# Altium PCB PCB1-recovery2.PcbDoc (part 1 of 5)
Units mil, origin at the board's own origin, x right, y up, seen from the top; angles counter-clockwise.
Board outline 7874.02 x 4566.93 mil, 8 copper layers (HIGH_SPEED_TOP, GND PLANE1, LOW_SPEED, +1V8_3V3_5V, +12V, SIGNAL, GND_PLANE3, HIGH_SPEED_BOT), stack 62.99 mil thick; 506 components, 435 nets, 2446 pads, 256 vias.
Unrouted connection lines stored in the file: 953.
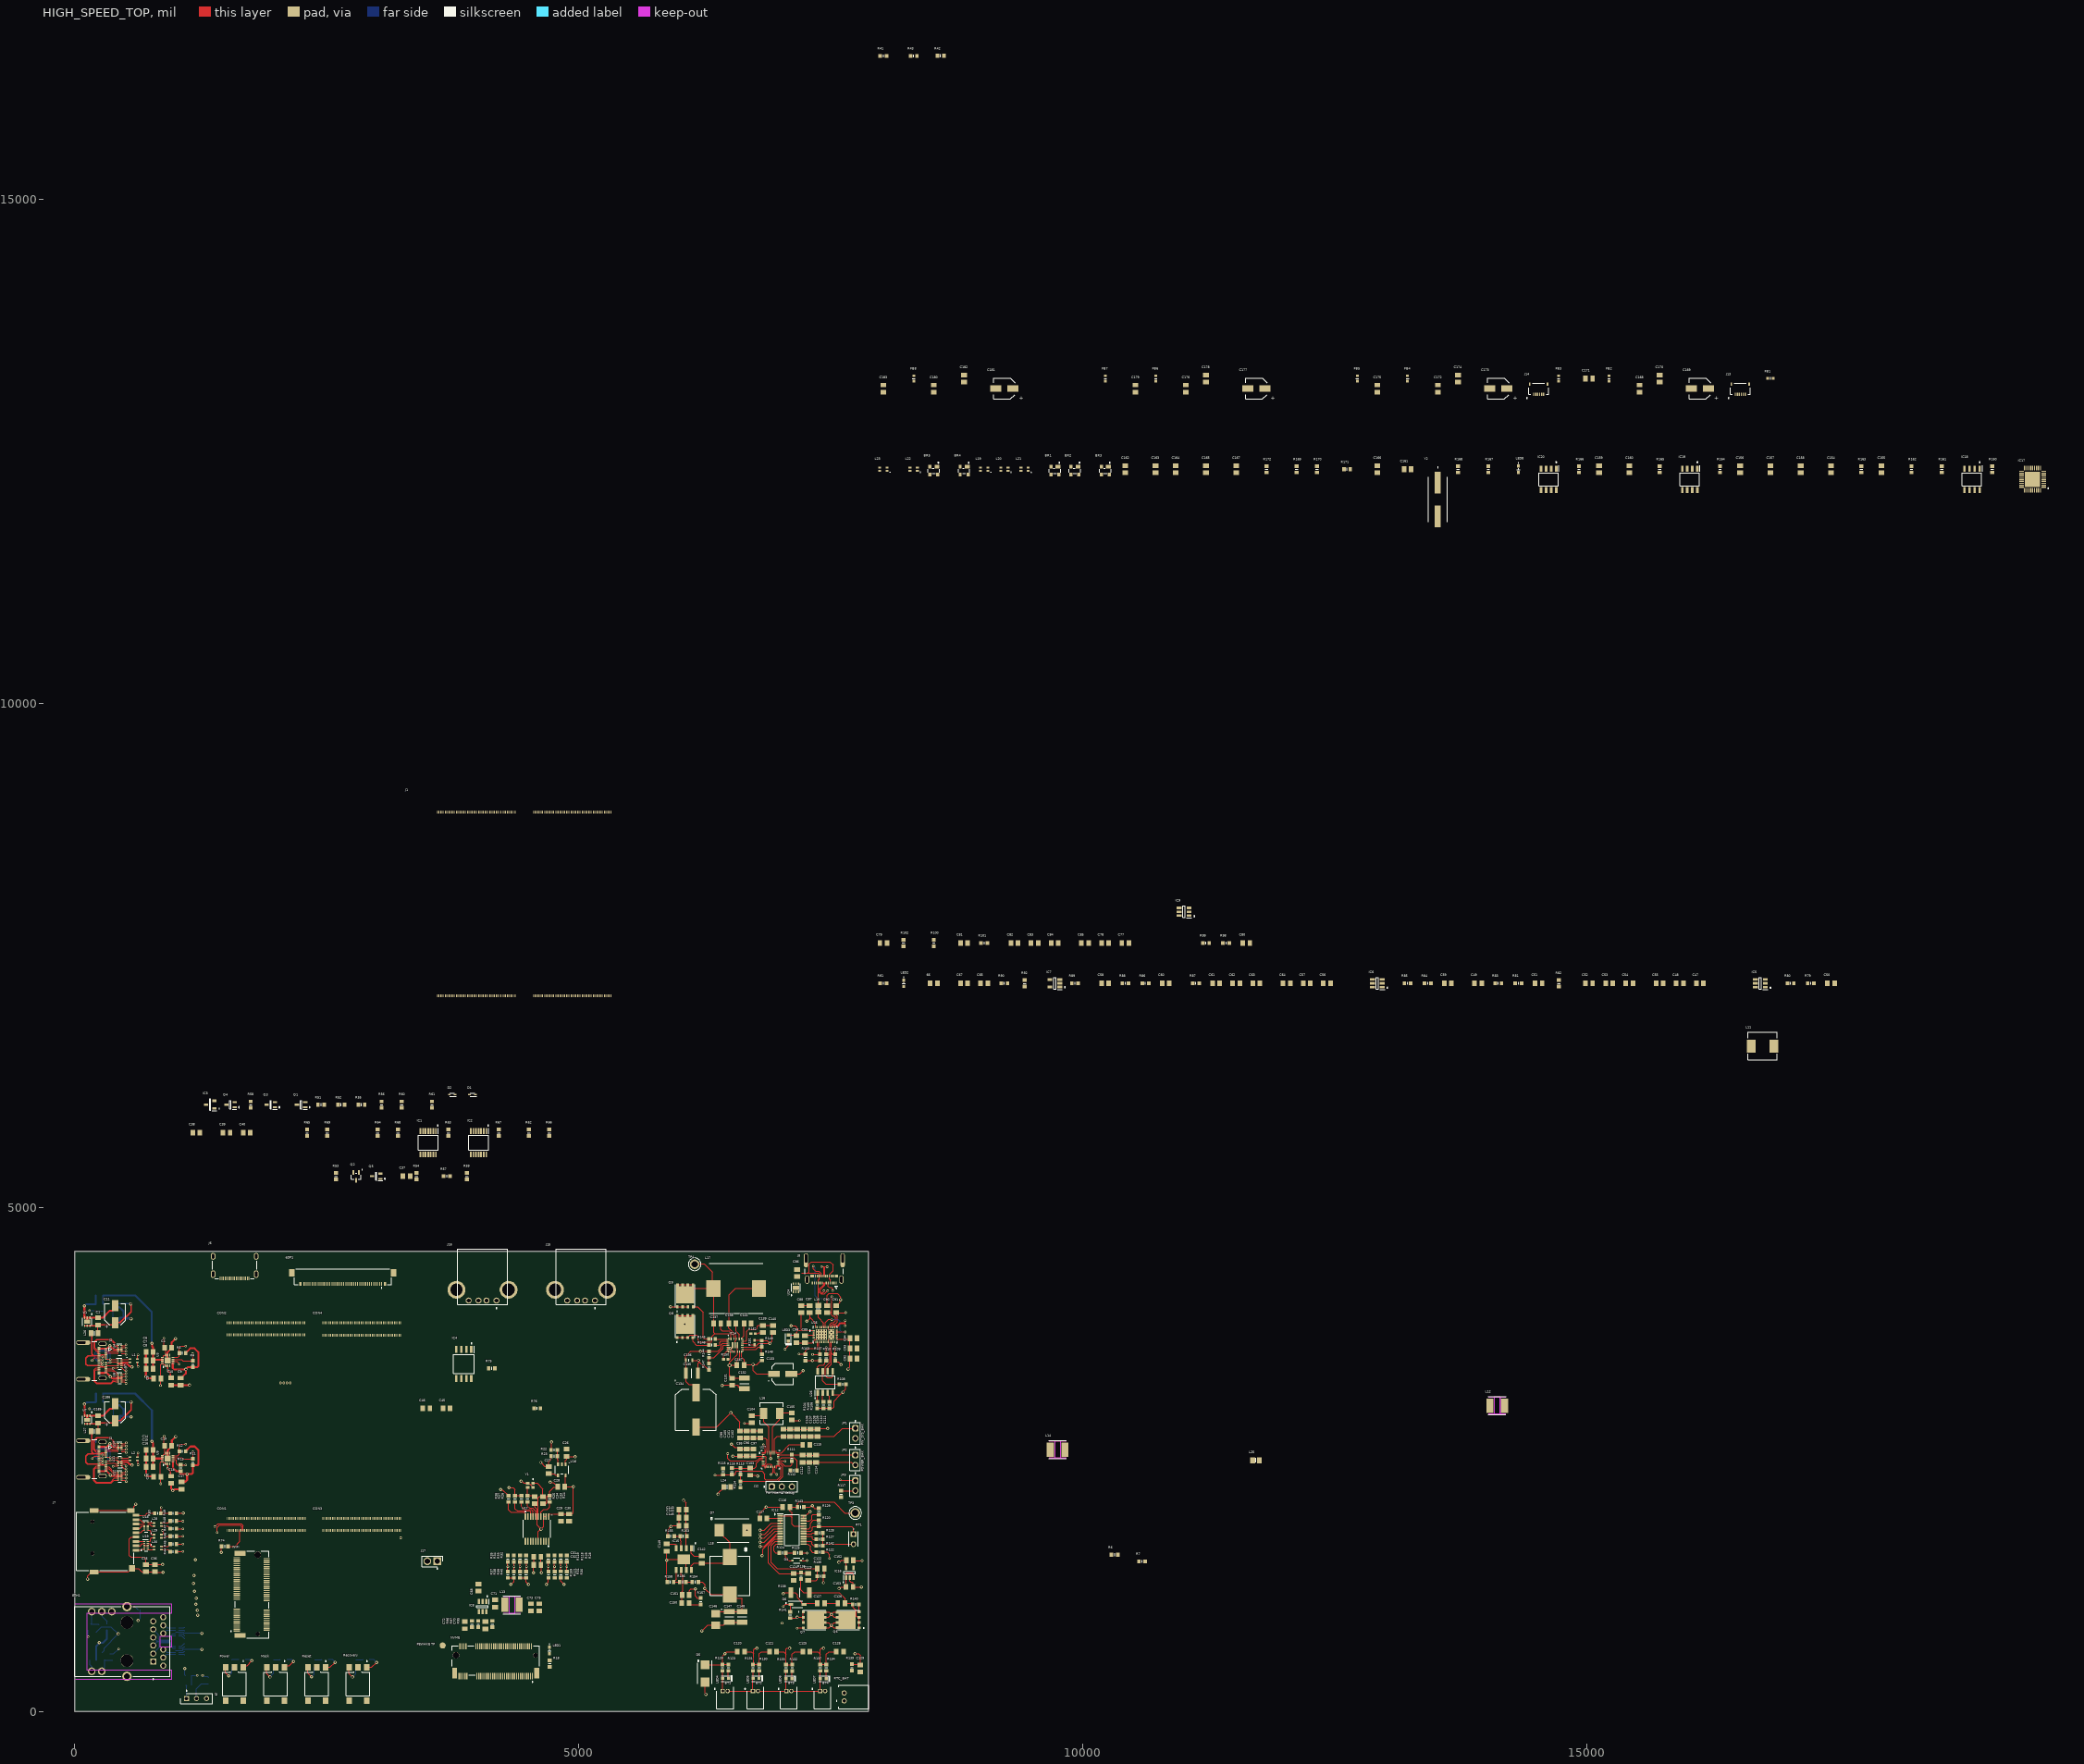
[diagram p0: HIGH_SPEED_TOP view]
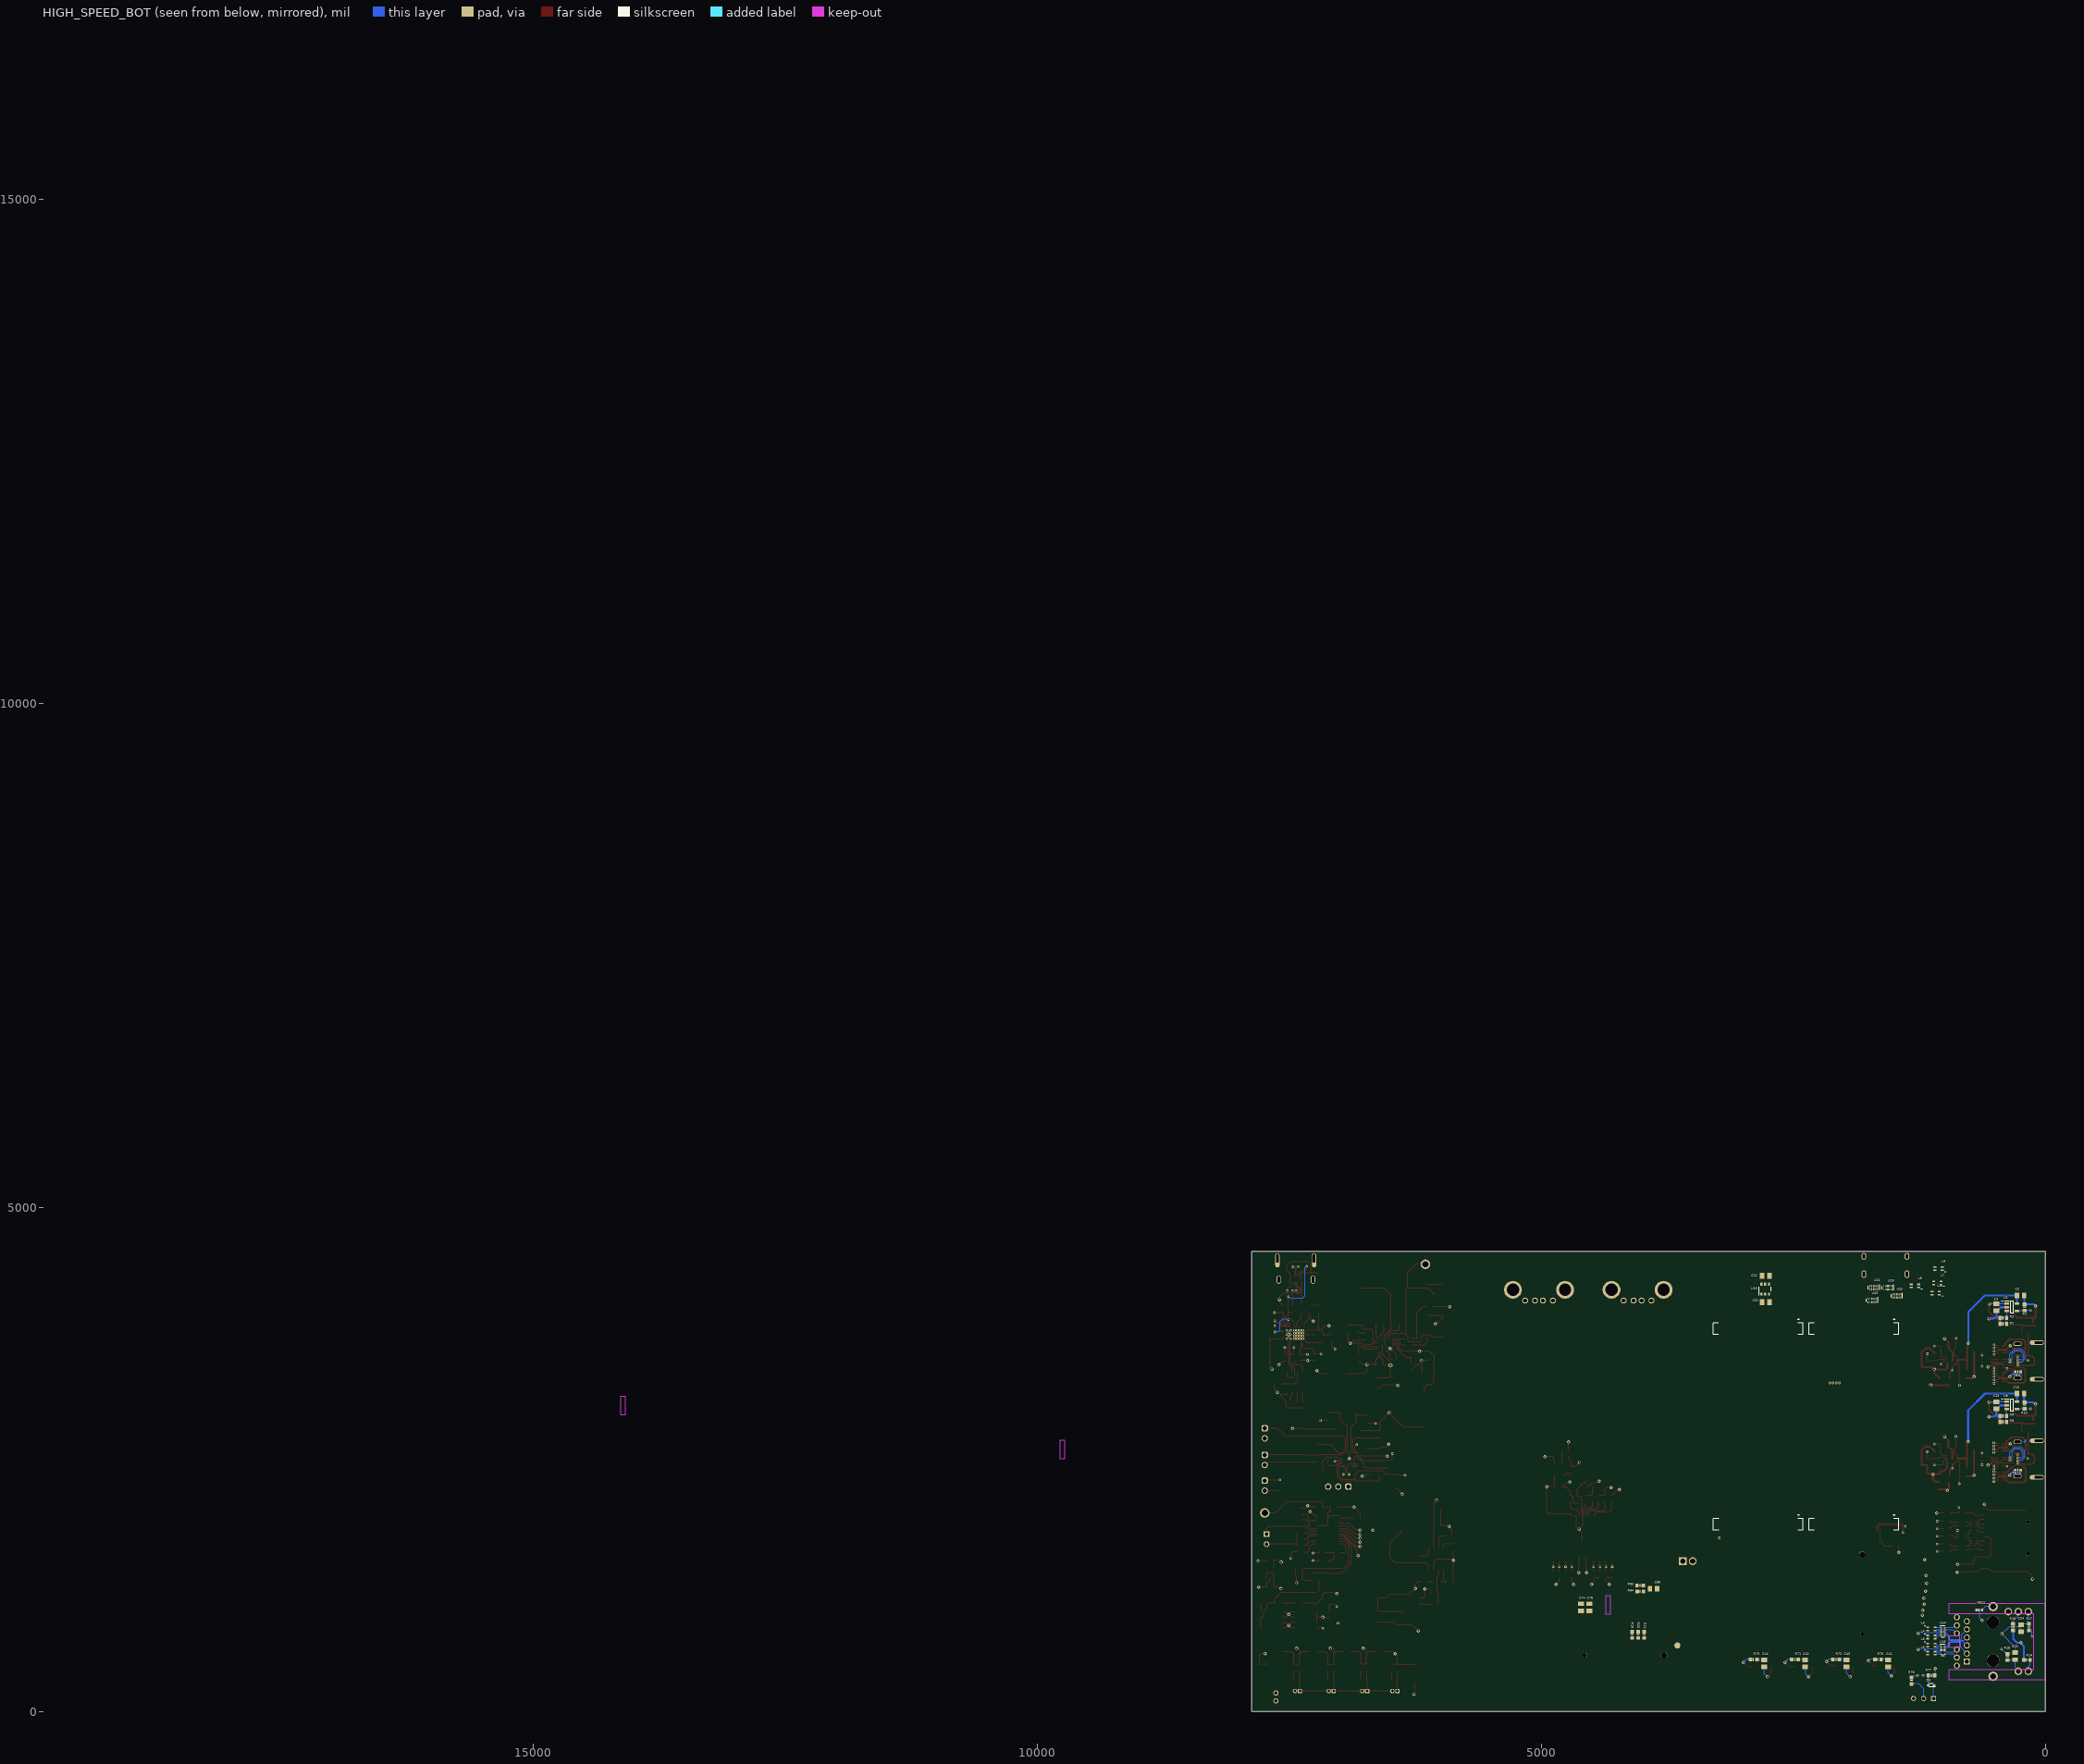
[diagram p1: HIGH_SPEED_BOT view, seen from below]
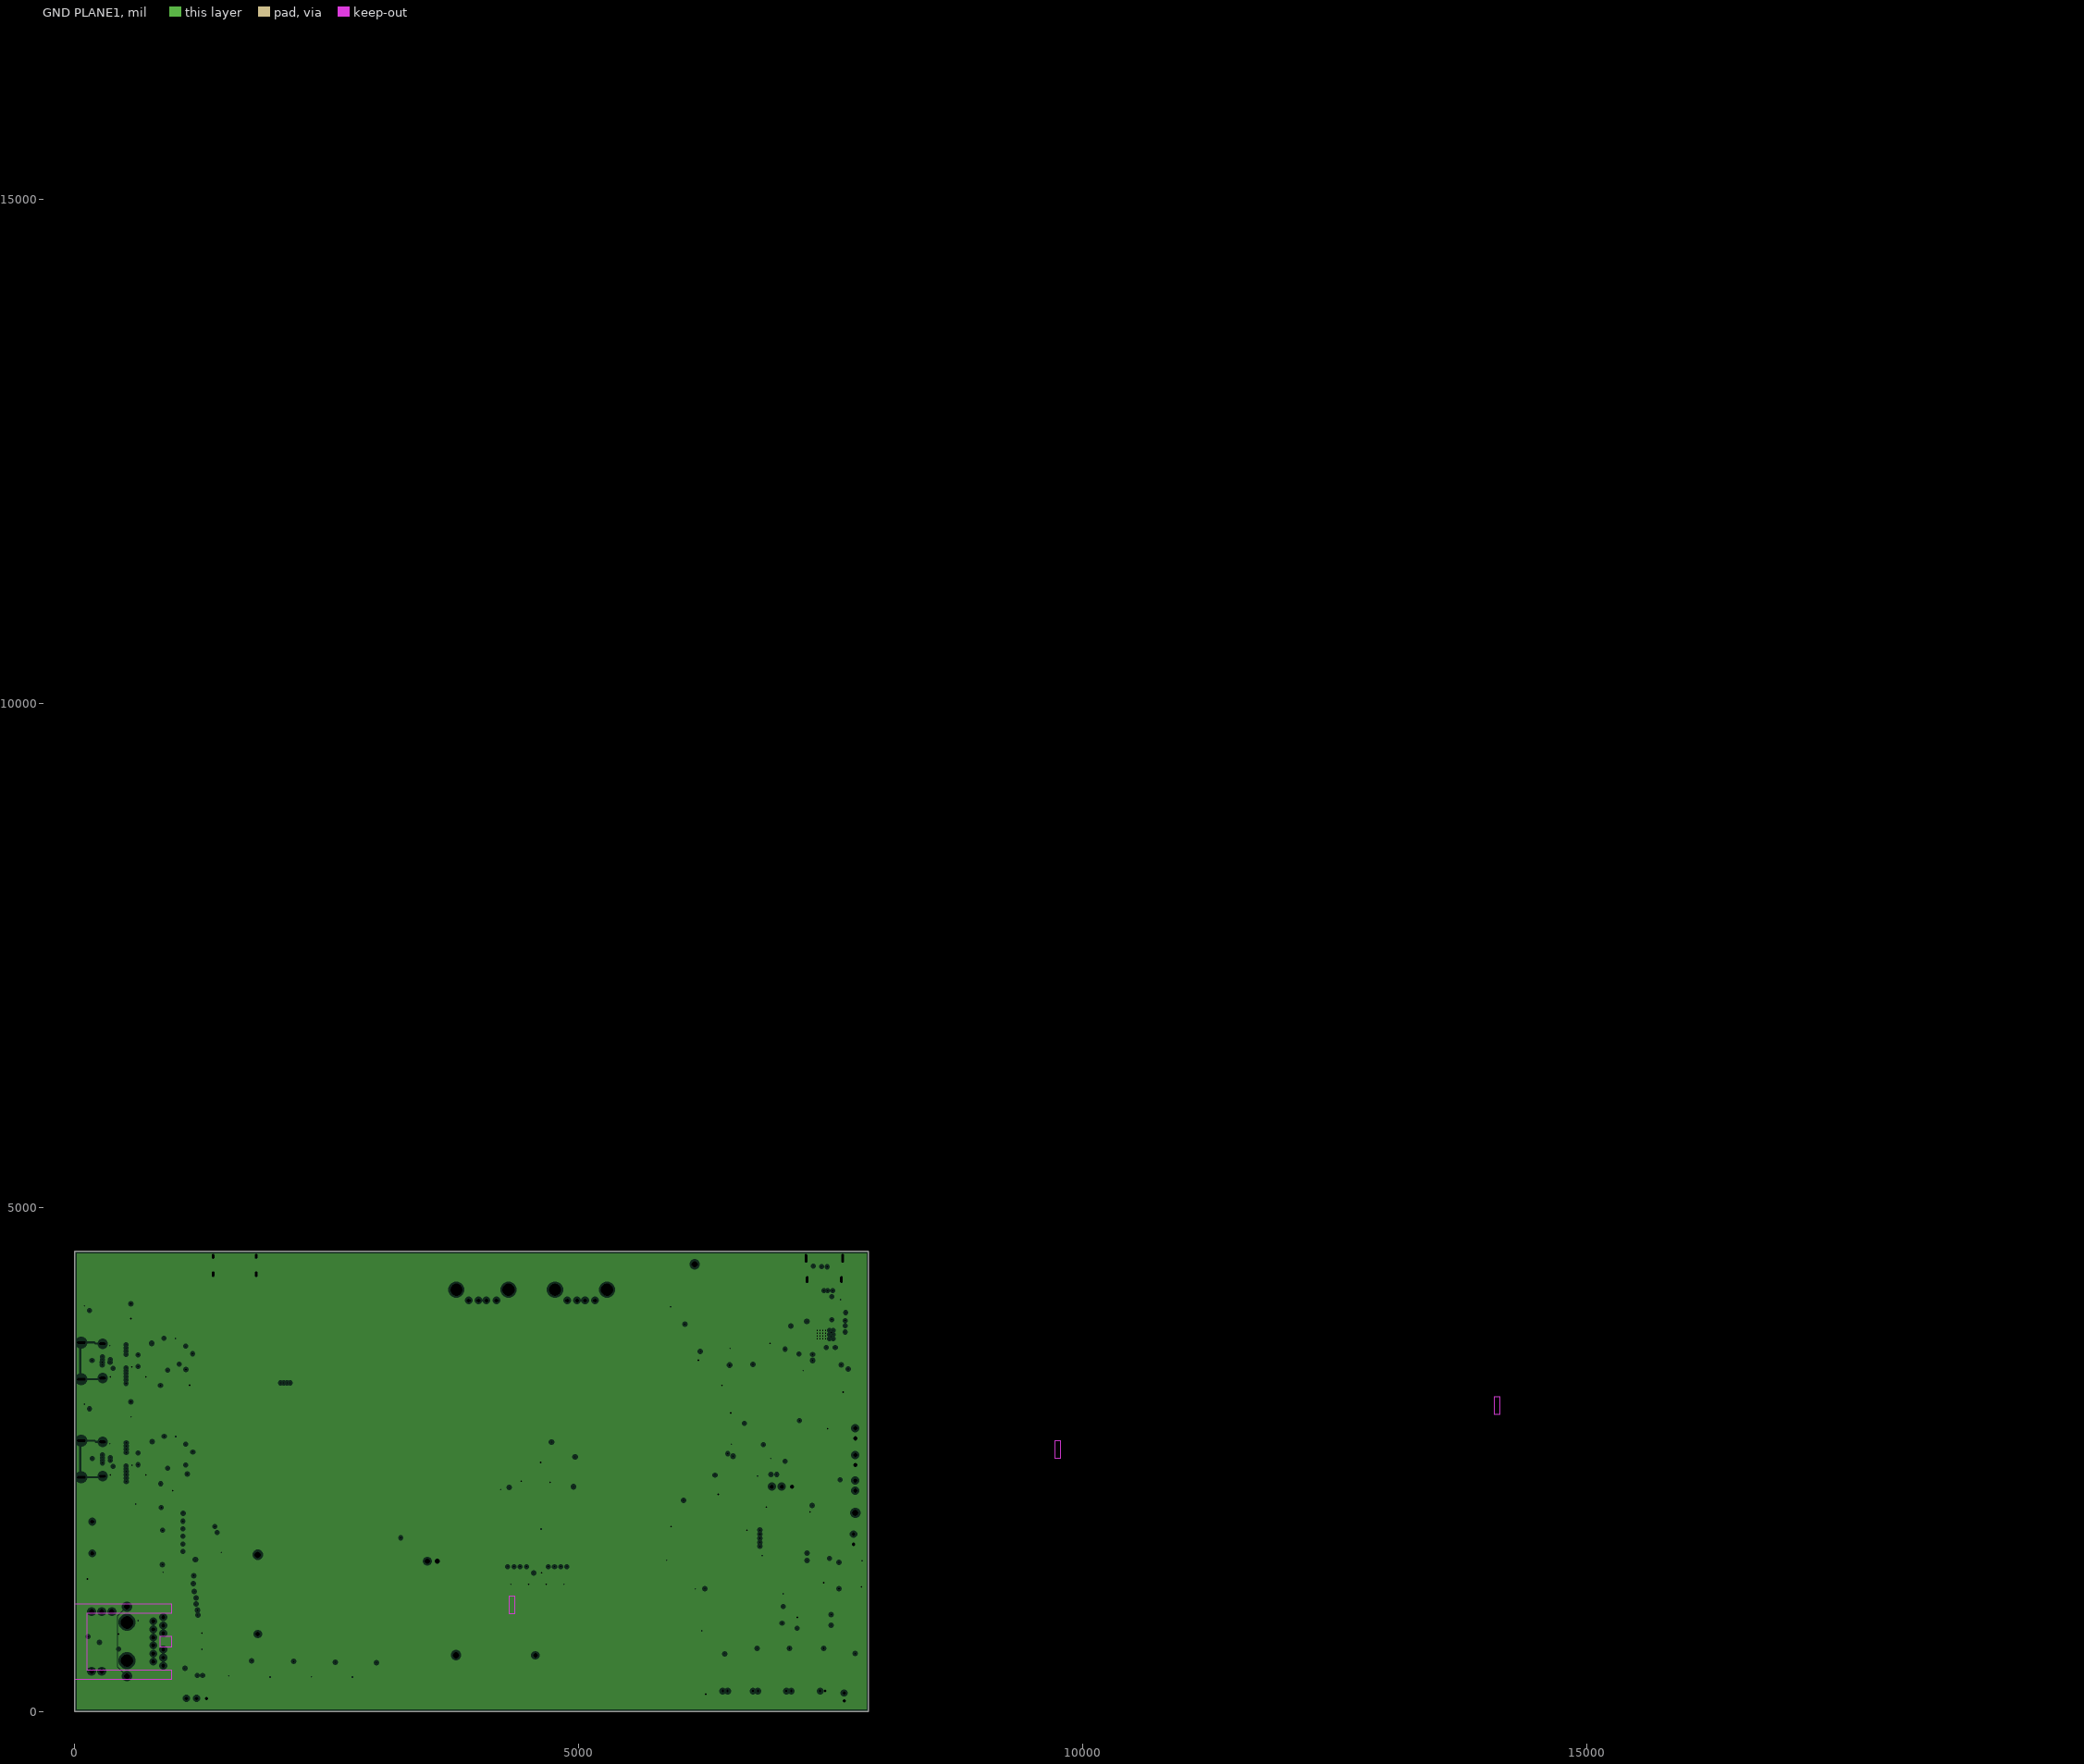
[diagram p2: GND PLANE1, clearances drawn from the general rule]
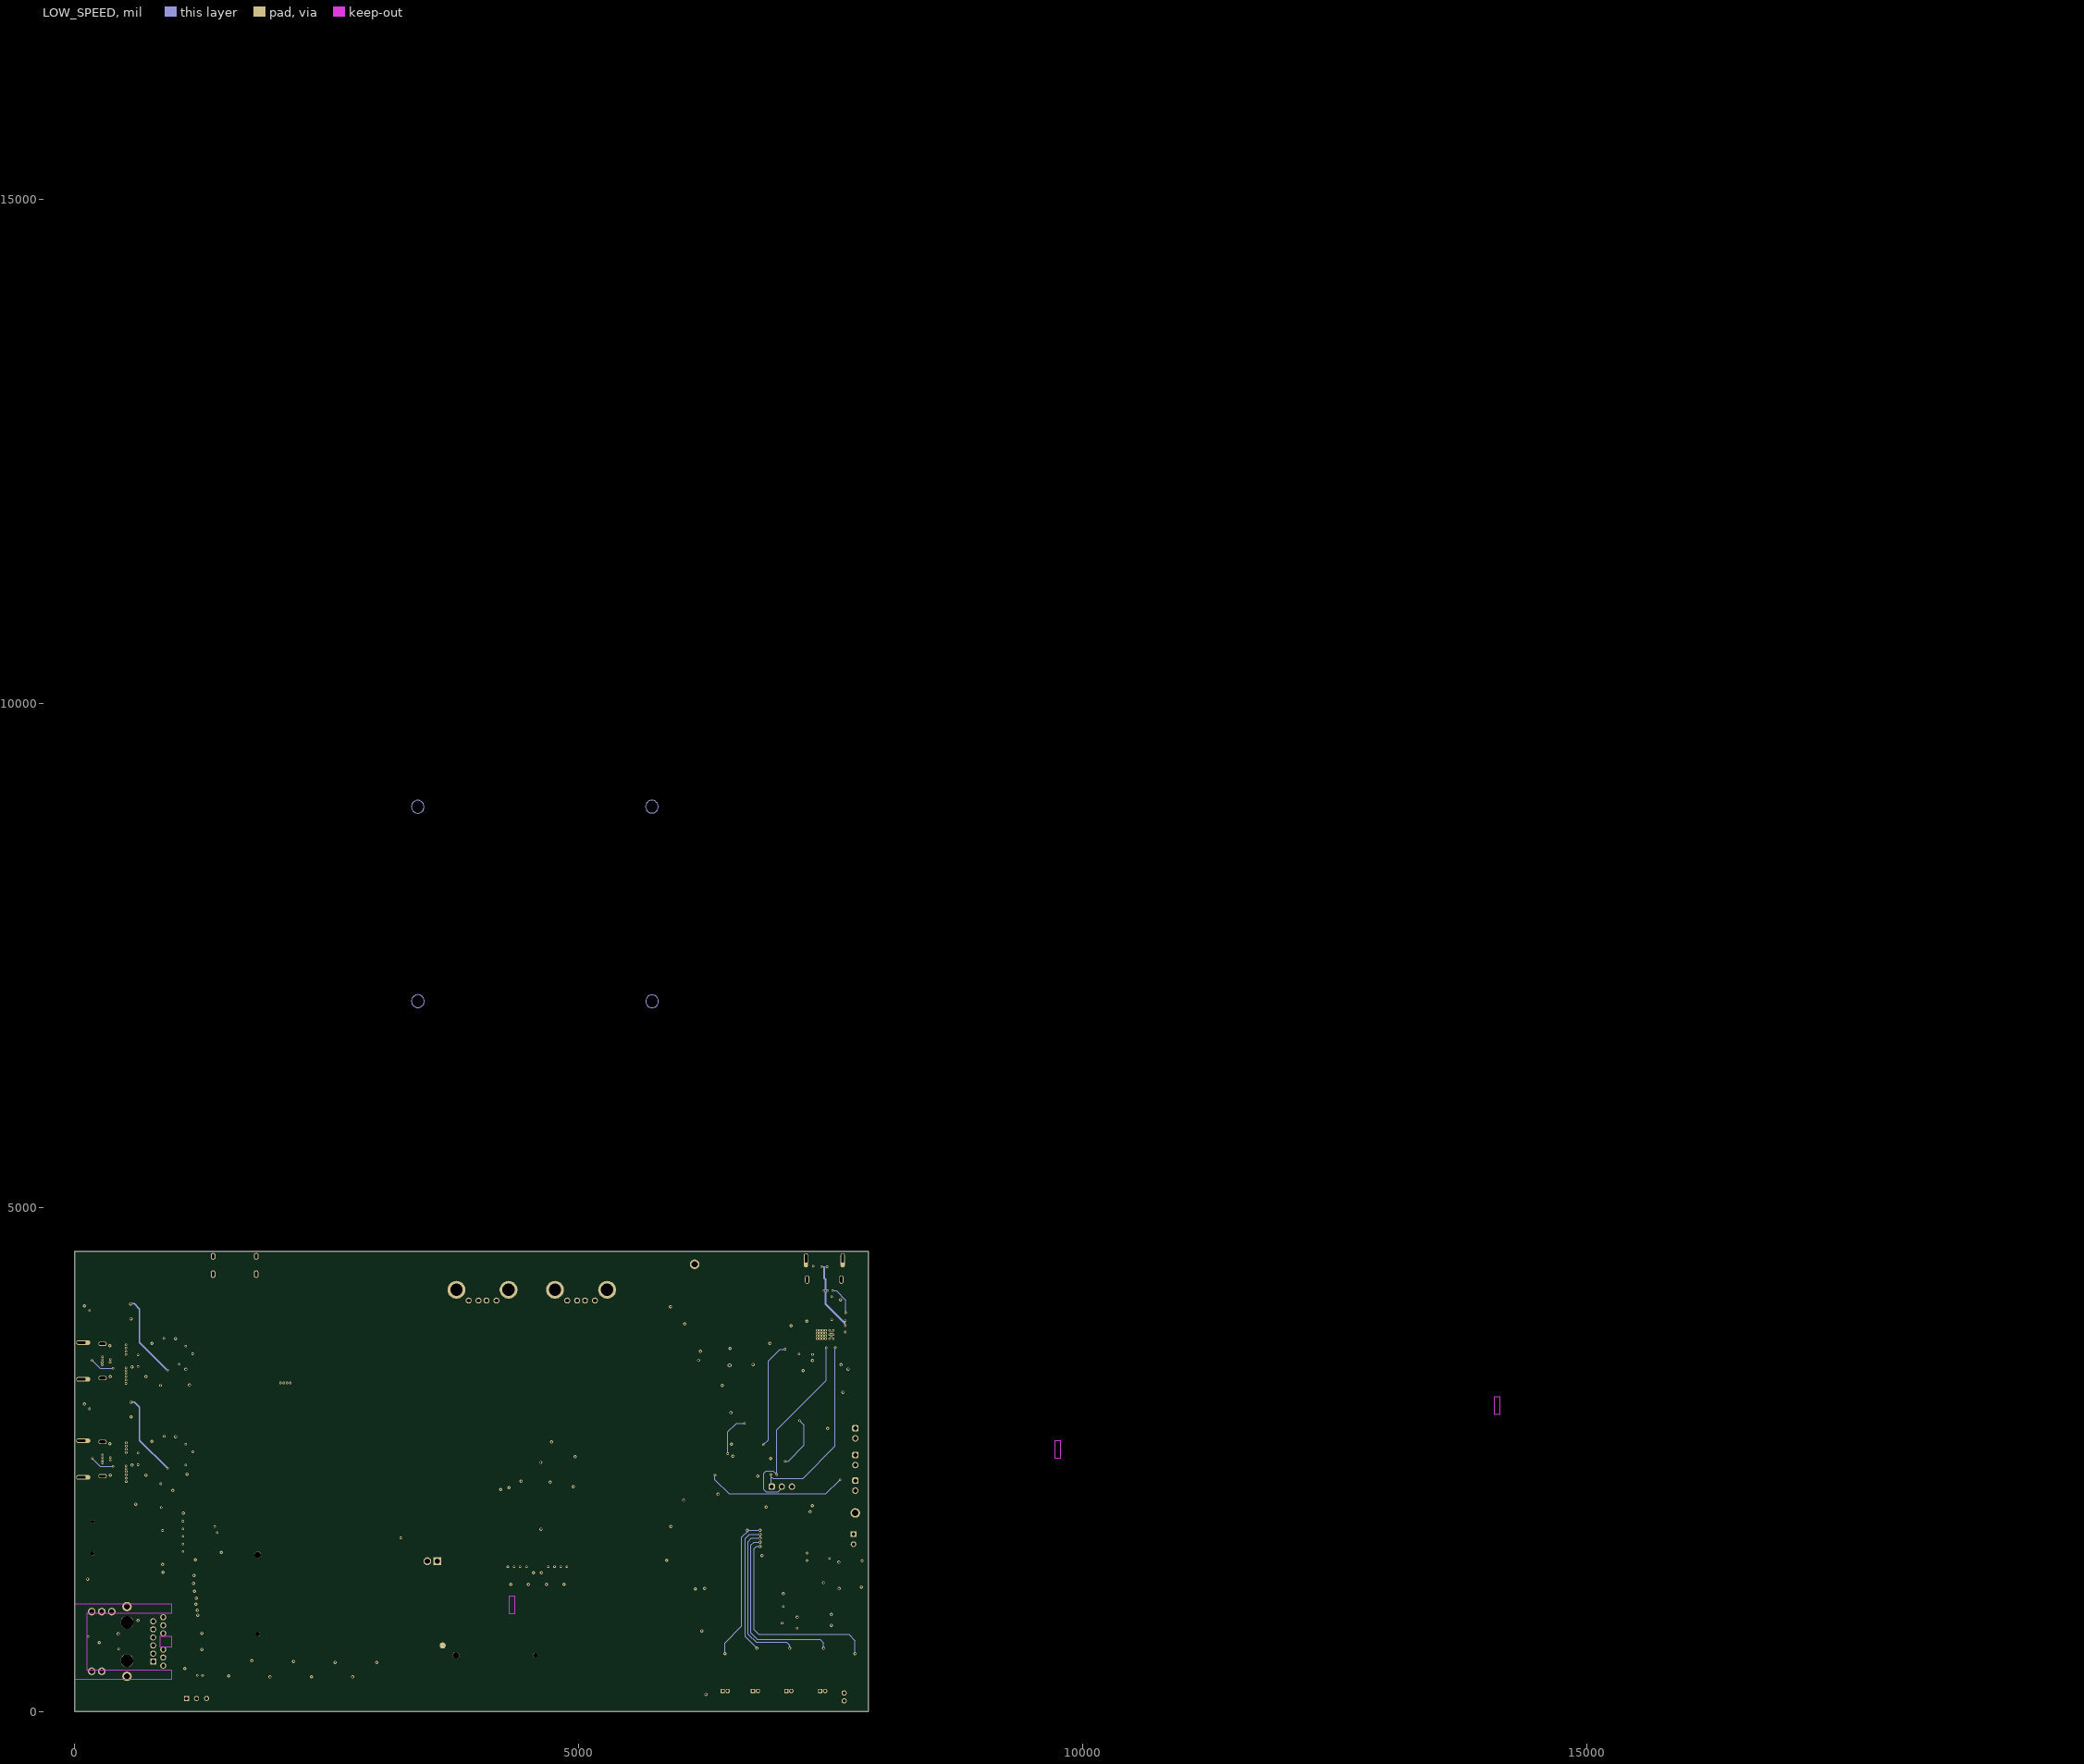
[diagram p3: LOW_SPEED]